# KiCad board MW601_KB.kicad_pcb (continued)
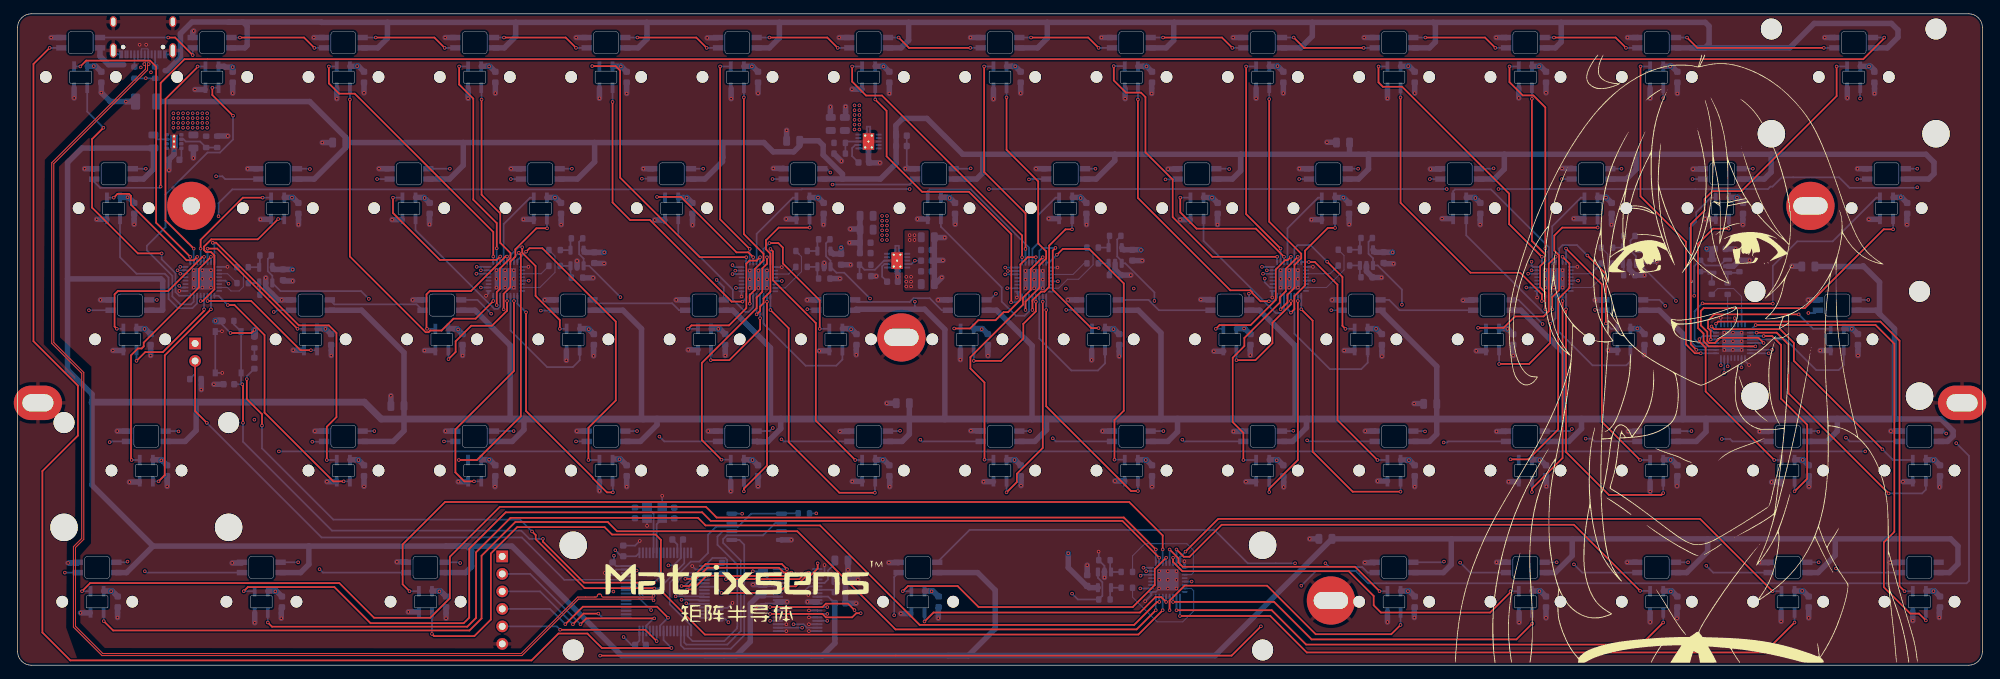
[diagram p0: board, top side]
## Routing (per net, layer and track width the routed paths; a pad name or vN(x,y) marks a point on that pad's centre or on a via; arc(x,y) is an arc through that point) (continued)
VCC1V0: length 156.7
  Bottom w0.25: MW20.1 114.87,67.93 ; v1(37.39,10.72) 37.39,10.78 ; v1(13.57,10.75) 13.57,10.78 ; v1(18.42,48.84) 18.42,48.88 ; 14.13,10.38 C56.1 ; 61.76,10.38 C58.1 ; 274.09,67.13 C28.1 ; v1(239.77,29.81) 239.77,29.83 ; 83.22,48.44 C32.1 ; v1(61.19,10.72) 61.19,10.78 ; v1(87.31,29.9) 87.31,29.95 ; 121.33,48.44 121.51,48.26 C34.1 ; v1(144.6,29.8) 144.6,29.83 ; 124.43,86.98 MW7.1
  Bottom w0.8: C30.1 44.69,48.87 44.67,48.87 v1(44.65,48.85) 44.63,48.87 44.23,48.87 44.23,48.88 43.44,48.88 ; 10.1,86.98 11.03,86.98 v1(11.05,87) 11.07,86.98 11.35,86.98 C1.1 ; 48.2,86.98 49.23,86.98 v1(49.25,87) 49.27,86.98 49.45,86.98 C3.1 ; C47.1 125.62,29.85 v1(125.5,29.85) 124.8,29.85 124.78,29.83 124.4,29.83 ; C36.1 158.99,48.88 v1(158.95,48.8) 157.74,48.88 ; 20.85,29.83 v1(20.85,29.75) 20.95,29.75 C42.1 ; 20.85,29.83 20.87,29.83 20.85,29.85 20.85,29.83 ; 20.85,29.83 19.63,29.83 ; 114.87,67.93 v1(116.1,67.9) 116.12,67.93 C20.1 ; 60.11,10.78 61.35,10.78 C58.1 ; C45.1 87.42,29.95 86.65,29.95 ; C23.1 173.27,67.93 v1(173.25,67.9) 172.03,67.93 ; 29.15,86.98 29.97,86.98 30.1,86.85 v1(31.2,86.85) C2.1 ; C6.1 106.6,86.98 106.53,86.98 v1(106.5,86.95) 106.47,86.98 105.35,86.98 ; C63.1 259,10.78 258.88,10.78 v1(258.85,10.8) 258.83,10.78 257.75,10.78 ; 143.45,86.98 144.24,86.98 144.25,86.97 v1(144.71,86.97) C8.1 ; 230.4,67.94 230.4,67.95 230.41,67.94 230.4,67.94 ; 230.4,67.94 229.61,67.94 229.6,67.93 229.18,67.93 ; 230.4,67.94 v1(230.4,67.9) 230.45,67.9 C26.1 ; C48.1 144.7,29.83 143.45,29.83 ; C35.1 139.94,48.88 139.93,48.88 v1(139.85,48.8) 139.77,48.88 138.69,48.88 ; 181.55,86.98 182.73,86.98 v1(182.75,87) 182.77,86.98 182.8,86.98 C10.1 ; C29.1 18.49,48.88 17.24,48.88 ; C7.1 125.65,86.98 125.63,86.98 v1(125.6,86.95) 125.57,86.98 124.4,86.98 ; 12.48,10.78 13.73,10.78 C56.1 ; 210.12,67.93 211.37,67.93 v1(211.45,67.85) C25.1 ; 100.59,48.88 101.62,48.88 v1(101.65,48.85) 101.68,48.88 101.84,48.88 C33.1 ; C53.1 239.95,29.83 238.7,29.83 ; 181.55,29.83 182.58,29.83 v1(182.64,29.77) 182.69,29.83 182.8,29.83 C50.1 ; 219.65,29.83 220.73,29.83 v1(220.76,29.8) 220.79,29.83 220.9,29.83 C52.1 ; 106.6,29.82 v1(106.6,29.8) 106.62,29.8 C46.1 ; 106.6,29.82 106.14,29.82 106.14,29.83 105.35,29.83 ; 106.6,29.83 106.6,29.82 106.6,29.82 ; 38.67,67.93 39.77,67.93 v1(39.8,67.9) 39.83,67.93 39.92,67.93 C16.1 ; C39.1 216.14,48.88 216.13,48.88 v1(216.1,48.85) 216.07,48.88 214.89,48.88 ; C61.1 220.9,10.78 220.78,10.78 v1(220.74,10.74) 220.71,10.78 219.65,10.78 ; 154.2,67.93 152.98,67.93 ; 154.2,67.93 154.22,67.93 154.2,67.95 154.2,67.93 ; 154.2,67.93 v1(154.2,67.85) 154.3,67.85 C22.1 ; C13.1 239.95,86.98 239.73,86.98 v1(239.7,86.95) 239.67,86.98 238.7,86.98 ; 67.25,86.98 68.04,86.98 68.05,86.97 68.38,86.97 v1(68.4,86.95) 68.42,86.97 68.51,86.97 C4.1 ; 276.8,10.78 277.87,10.78 v1(277.9,10.75) 277.93,10.78 278.05,10.78 C64.1 ; C38.1 197.09,48.88 197.08,48.88 v1(197.05,48.85) 197.02,48.88 195.84,48.88 ; 200.6,10.78 201.66,10.78 v1(201.67,10.76) 201.68,10.78 201.85,10.78 C60.1 ; 176.79,48.88 177.88,48.88 v1(177.9,48.9) 177.92,48.88 178.04,48.88 C37.1 ; 81.54,48.88 82.79,48.88 82.85,48.81 v1(82.85,48.8) 82.86,48.8 C32.1 ; C14.1 269.32,86.42 268.77,86.98 268.58,86.98 v1(268.55,86.95) 268.52,86.98 267.28,86.98 ; C62.1 239.95,10.78 239.87,10.78 v1(239.8,10.71) 239.73,10.78 238.7,10.78 ; C51.1 201.85,29.83 v1(201.82,29.78) 200.6,29.83 ; 191.08,67.93 v1(192.3,67.9) 192.32,67.93 C24.1 ; 62.49,48.88 63.28,48.88 63.29,48.87 63.74,48.87 63.86,48.75 v1(63.9,48.75) 63.9,48.71 C31.1 ; C12.1 220.9,86.98 220.73,86.98 v1(220.7,86.95) 220.67,86.98 219.65,86.98 ; C44.1 68.5,29.83 68.42,29.83 v1(68.4,29.85) 68.38,29.83 67.25,29.83 ; C27.1 249.47,67.93 249.43,67.93 v1(249.4,67.9) 249.37,67.93 248.23,67.93 ; C43.1 49.47,29.8 v1(49.45,29.8) 49.45,29.83 49.45,29.83 48.2,29.83 ; C57.1 37.54,10.78 36.29,10.78 ; 264.89,48.88 266.02,48.88 v1(266.05,48.85) 266.08,48.88 266.14,48.88 C41.1 ; C55.1 278.05,29.83 277.93,29.83 v1(277.9,29.8) 277.87,29.83 276.8,29.83 ; 133.93,67.93 134.51,67.93 134.51,67.93 135.17,67.93 135.2,67.9 v1(135.2,67.85) 135.25,67.85 C21.1 ; 119.64,48.88 120.89,48.88 120.9,48.86 v1(120.9,48.8) 120.96,48.8 121.33,48.44 121.51,48.26 C34.1 ; C19.1 97.07,67.93 v1(97.05,67.9) 95.83,67.93 ; 162.5,29.83 163.62,29.83 v1(163.65,29.8) 163.68,29.83 163.75,29.83 C49.1 ; C18.1 78.02,67.93 77.98,67.93 v1(77.95,67.9) 77.92,67.93 76.77,67.93 ; 200.6,86.98 201.68,86.98 v1(201.7,87) 201.72,86.98 201.85,86.98 C11.1 ; C59.1 132.8,10.77 132.62,10.77 v1(132.58,10.73) 132.53,10.77 132.34,10.77 132.33,10.78 131.54,10.78 ; C15.1 16.11,67.93 15.97,67.93 v1(15.95,67.95) 15.93,67.93 14.86,67.93 ; 57.72,67.93 58.97,67.93 v1(59.05,67.85) C17.1 ; C28.1 274.09,67.13 273.29,67.93 273.17,67.93 v1(273.15,67.95) 273.13,67.93 272.04,67.93 ; C5.1 87.55,86.98 87.53,86.98 v1(87.5,86.95) 87.47,86.98 86.3,86.98 ; C40.1 235.19,48.88 234.97,48.88 v1(234.95,48.9) 234.93,48.88 233.94,48.88 ; C54.1 259,29.83 258.95,29.83 v1(258.94,29.82) 258.94,29.83 257.75,29.83 ; 162.5,86.98 163.29,86.98 163.32,86.95 163.75,86.95 v1(163.75,86.95) 163.75,86.95 163.78,86.95 C9.1
  vias: v1(125.4,65.25) v1(125.4,64.55) v1(125.4,63.85) v1(125.4,63.15) v1(125.4,62.45) v1(125.4,61.75) v1(126.1,65.25) v1(126.1,64.55) v1(126.1,63.85) v1(126.1,63.15) v1(126.1,62.45) v1(126.1,61.75)
VDDA: length 79
  In1.Cu w0.8: v1(152.4,16.25) 153.75,17.6 153.75,53.44 160.61,60.3 v1(162.95,60.3)
  Bottom w0.25: 245.76,59.17 245.76,59.03 ; 245.76,59.17 245.76,59.03 ; 245.76,59.17 245.76,59.45 ; 245.76,59.03 U16.5 ; 245.76,59.03 U16.5 ; 245.76,59.03 U16.5
  Bottom w0.8: U10.5 37.26,57.47 C86.2 39.88,57.47 v1(39.9,57.45) ; v1(162.95,60.3) 162.93,60.33 C89.2 160.46,60.33 U17.5 ; v1(199.45,59.95) 199.43,59.98 C90.2 196.95,59.98 U11.5 ; v1(85.1,59.95) C87.2 82.42,59.95 U12.5 ; U18.5 155.41,11.26 C93.2 155.05,11.53 152.4,14.18 v1(152.4,16.25) ; U15.5 118.33,59.73 C88.2 v1(119.45,60.65) ; v1(245,60.5) 245.05,60.45 C92.2 245.76,60.01 U16.5 ; v1(237.45,60.3) 237.43,60.27 C91.2 235.1,60.27 U13.5
  vias: v1(121.4,81.3) v1(121.4,80.6) v1(121.4,79.9) v1(121.4,79.2) v1(121.4,78.5) v1(121.4,77.8) v1(122.1,81.3) v1(122.1,80.6) v1(122.1,79.9) v1(122.1,79.2) v1(122.1,78.5) v1(122.1,77.8)
/Analog/AIN_0P: length 122.8
  In1.Cu w0.25: v1(117.45,6.45) 117.95,5.95 117.95,5.25 117.15,4.45 102.89,4.45 96.34,11 94.89,11 84.75,21.15 60.7,21.15 53.43,28.42 53.43,50.72 v1(50.95,53.2)
  Bottom w0.25: v1(50.95,53.2) 49.83,54.33 38.14,54.33 U10.1 36.95,56.56 36.3,57.21 36.3,59 R12.2 ; U14.16 v1(117.45,6.45)
/Analog/AIN_1P: length 78.2
  In1.Cu w0.25: v1(87.45,53.45) 87.9,53 87.9,48.95 96.05,40.8 96.05,14.7 99.45,11.31 99.84,11.31 105.2,5.95 110.33,5.95 110.83,6.45 112.05,6.45 v1(112.55,5.95)
  Bottom w0.25: v1(112.55,5.95) 114,5.95 114.5,5.45 U14.18 ; R20.2 81.45,61.47 81.45,59.69 82.1,59.05 U12.1 82.9,58 v1(87.45,53.45)
/Analog/AIN_2P: length 69.2
  In1.Cu w0.25: v1(123.65,53.25) 120.67,50.28 118.65,50.28 114.05,45.67 114.05,12.83 113.19,11.96 113.19,7.16 113.8,6.55 v1(113.8,5.45)
  Bottom w0.25: v1(123.65,53.25) 119.9,57 118.77,57 U15.1 117.91,58.74 117.27,59.38 117.27,61.28 R28.2 ; v1(113.8,5.45) U14.21
/Analog/AIN_3P: length 110.2
  In1.Cu w0.25: v1(109.15,6.45) 110.14,7.44 112.05,7.44 113.3,6.19 113.3,5.25 113.59,4.95 114.09,4.95 114.59,5.45 114.99,5.45 116.95,7.41 116.95,9.15 126.9,19.1 144.4,19.1 148.25,15.25 152.95,15.25 158.35,20.65 158.35,38.45 164.9,45 v1(164.9,52.9)
  Bottom w0.25: v1(164.9,52.9) 164.9,54.14 160.68,58.36 U17.1 160.15,58.7 159.51,59.35 159.51,61.82 R36.2 ; U14.23 v1(109.15,6.45)
/Analog/AIN_4P: length 127.2
  Top w0.25: v1(109.15,7.45) 116.75,7.45 117.25,6.95 121.05,6.95 121.65,7.55 v1(122.3,7.55)
  In1.Cu w0.25: v1(122.3,7.55) 122.3,9.68 128.85,16.22 145.33,16.22 147.52,14.03 153.13,14.03 164.4,25.3 166.29,25.3 191.24,50.25 198.7,50.25 v1(200.8,52.35)
  Bottom w0.25: v1(200.8,52.35) 200.8,54.55 197.3,58.05 U11.1 196.6,59.1 195.96,59.74 195.96,61.48 R13.2 ; U14.25 v1(109.15,7.45)
/Analog/AIN_5P: length 173.6
  Top w0.25: v1(109.15,8.45) 116.75,8.45 117.24,8.94 120.45,8.94 v1(121.4,8)
  In1.Cu w0.25: v1(240.55,52.9) 240.55,41.58 223.63,24.66 165.31,24.66 157.3,16.64 157.3,15.75 153.35,11.8 125.6,11.8 123.71,9.91 123.71,8.14 122.62,7.06 122.09,7.06 121.4,7.75 v1(121.4,8)
  Bottom w0.25: R21.2 233.95,61.67 233.95,60.2 234.75,59.4 U13.1 235.19,58.35 240.55,52.99 v1(240.55,52.9) ; U14.27 v1(109.15,8.45)
/Analog/AIN_6P: length 166.5
  In1.Cu w0.25: v1(243.2,53.65) 243.2,48.4 242,47.2 242,41.6 230.14,29.74 230.14,25.69 228.65,24.2 166.4,24.2 153.27,11.07 135.57,11.07 130.9,6.4 121.5,6.4 119.45,8.45 v1(117.45,8.45)
  Bottom w0.25: U14.12 v1(117.45,8.45) ; v1(243.2,53.65) 243.2,57.95 R29.2 244.8,58.05 246.93,58.05 247.76,58.89 U16.1
/Analog/AIN_7P: length 48.6
  In1.Cu w0.25: v1(152.95,10.4) 141.2,10.4 136.1,5.3 120,5.3 117.85,7.45 v1(117.45,7.45)
  Bottom w0.25: U18.1 156.7,12.7 157.34,12.06 157.34,10.07 R37.2 153.8,9.55 v1(152.95,10.4) ; U14.14 v1(117.45,7.45)
/Analog/GP0_OUT+: length 3.2
  Bottom w0.149: R8.1 30.46,56.85 U2.27
/Analog/GP0_OUT-: length 7.2
  Bottom w0.149: R10.1 32.75,56.86 32.75,54.95 32.15,54.35 30.95,54.35 30.45,54.85 U2.31
/Analog/GP1_OUT+: length 4.4
  Bottom w0.149: U3.27 75.94,56.85 R16.1
/Analog/GP1_OUT-: length 9.3
  Bottom w0.149: U3.31 75.75,54.85 77.95,57.05 77.95,59.41 R18.1
/Analog/GP2_OUT+: length 3.4
  Bottom w0.149: R24.1 111.84,56.8 U4.27
/Analog/GP2_OUT-: length 8.7
  Bottom w0.149: R26.1 113.29,59.74 113.7,59.34 113.7,57.15 111.35,54.8 U4.31
  Bottom w0.25: 113.29,59.74 R26.1
/Analog/GP3_OUT+: length 5.9
  Bottom w0.149: R32.1 154.69,58.35 153.09,56.75 U5.27
/Analog/GP3_OUT-: length 10.4
  Bottom w0.149: R34.1 156,59.76 156,58.15 153.9,56.05 152.3,56.05 151,54.75 U5.31
/Analog/GP4_OUT+: length 6
  Bottom w0.149: U6.27 190.38,56.85 190.97,57.44 R9.1
  Bottom w0.25: 190.97,57.44 R9.1
/Analog/GP4_OUT-: length 9.9
  Bottom w0.149: R11.1 192.4,59.5 192.4,57.4 189.85,54.85 U6.31
/Analog/GP5_OUT+: length 6.1
  Bottom w0.149: U7.27 228.23,56.85 228.97,57.59 R17.1
  Bottom w0.25: 228.97,57.59 R17.1
/Analog/GP5_OUT-: length 10.2
  Bottom w0.149: U7.31 228.3,54.85 230.65,57.2 230.65,59.7 R19.1
/Analog/GP6_OUT+: length 4.4
  Bottom w0.149: U8.27 248.05,49.5 R25.1
/Analog/GP6_OUT-: length 11.2
  Bottom w0.149: R27.1 246.6,54.7 248.9,54.7 250.06,53.54 U8.31
  Bottom w0.25: 250.06,51.51 U8.31
/Analog/GP7_OUT+: length 16.9
  Bottom w0.149: U9.27 170.25,13.15 170.55,13.45 170.55,16.7 169.6,17.65 163.5,17.65 161.73,15.88 161.73,13.55
/Analog/GP7_OUT-: length 16.8
  Bottom w0.149: 161.73,11.25 161.73,9.88 165.3,6.3 169,6.3 170.6,7.9 170.6,10.8 170.25,11.15 U9.31
/Analog/SCLK: length 23
  Top w0.25: v1(112.25,13.45) 111.15,13.45 110.45,14.14 100.05,14.14 97.4,11.5 v1(96.3,11.5)
  Bottom w0.25: 99.62,12.4 97.65,12.4 96.75,11.5 v1(96.3,11.5) ; v1(112.25,13.45) U14.37
/Analog/SDI: length 19.9
  Top w0.25: v1(102.1,10.5) 110.4,10.5 111.36,11.46 112.88,11.46 114.38,12.95 114.95,12.95 116.05,14.05 v1(116.05,14.8)
  Bottom w0.25: U14.1 116.05,13.99 v1(116.05,14.8) ; 99.62,11.4 101.2,11.4 v1(102.1,10.5)
/Analog/SDO: length 22.9
  Top w0.25: v1(113.2,13.1) 113.05,12.95 103,12.95 102.96,13 99.95,13 97.95,11 v1(97.1,11)
  Bottom w0.25: 99.62,11.9 98,11.9 v1(97.1,11) ; v1(113.2,13.1) 113.05,12.95 U14.36
/Analog/~{CS}: length 20.2
  Top w0.25: v1(96.85,12.55) 97.65,12.55 99.8,14.7 110.85,14.7 v1(111.6,13.95)
  Bottom w0.25: v1(96.85,12.55) 97.2,12.9 99.62,12.9 ; v1(111.6,13.95) U14.38
/Analog/~{RST/PD}: length 20.4
  Top w0.25: v1(102.75,12.5) 113.4,12.5 114.35,13.45 v1(114.75,13.45)
  Bottom w0.25: v1(102.75,12.5) 102.92,12.67 102.92,15.3 102.65,15.57 100.8,15.57 99.62,14.4 ; v1(114.75,13.45) U14.2
/Key Layout/DOUT_L0: length 14.1
  In2.Cu w0.25: v1(52.15,70.6) 50.7,72.05 v1(42.4,72.05)
  Bottom w0.25: v1(52.15,70.6) D17.4 ; v1(42.4,72.05) 42.35,72.1 D16.2
/Key Layout/DOUT_L1: length 14.1
  Bottom w0.25: D32.2 83.88,52.56 94.94,52.56 95.95,51.55 D33.4
/Key Layout/DOUT_L2: length 14.1
  In2.Cu w0.25: v1(150.15,32.95) 149.1,34 v1(146.85,34)
  Bottom w0.25: v1(150.15,32.95) 150.6,32.5 D49.4 ; D48.2 v1(146.85,34)
/Key Layout/LED_SDA: length 190.7
  Top w0.25: v1(94.85,2.5) 84.75,2.5 82.65,4.6 78.45,4.6 74.55,0.7 7.65,0.7 3.6,4.75 3.6,28.2 8.75,33.35 8.75,40.6 2.3,47.05 2.3,87.3 v1(4.65,89.65)
  Bottom w0.25: v1(94.85,2.5) 93.7,3.65 U23.41 ; v1(4.65,89.65) D1.4
/Key Layout/OUT_N1: length 40.7
  Top w0.25: v1(20.9,59.8) 17.45,59.8 10.8,66.45 10.8,76.4 v1(12.45,78.05)
  Bottom w0.25: 25.05,53.65 25.04,53.65 ; 25.04,53.65 U2.8 ; 25.04,53.65 23.46,53.65 22.9,54.21 22.9,56.95 20.9,58.95 v1(20.9,59.8) ; v1(12.45,78.05) 10.1,80.4 MW1.4
/Key Layout/OUT_N2: length 44.8
  Top w0.25: v1(28.25,83.85) 28.25,82.8 v1(31.25,79.8)
  Bottom w0.25: U2.7 25.55,52.8 25.15,52.4 23.6,52.4 22.45,53.55 22.45,56.55 18.75,60.25 18.75,60.9 21.45,63.6 21.45,68.35 27.55,74.45 29.35,74.45 31.25,76.35 v1(31.25,79.8) ; v1(28.25,83.85) MW2.4
/Key Layout/OUT_N3: length 52.5
  Top w0.25: v1(48.2,82.15) 48.2,59.35 59.19,48.36 59.61,48.36 59.85,48.6 61.5,48.6 63.22,50.32 66.44,50.32 v1(69,52.89)
  Bottom w0.25: v1(69,52.89) U3.8 ; v1(48.2,82.15) MW3.4
/Key Layout/OUT_N4: length 35.5
  Top w0.25: v1(69.5,52.3) 69.5,54.18 69.97,54.64 69.97,57.61 71.49,59.14 71.49,59.85 70.01,61.34 70.01,65.61 67.3,68.32 v1(67.3,82.15)
  Bottom w0.25: v1(69.5,52.3) U3.7 ; v1(67.3,82.15) 67.3,83.8 MW4.4
/Key Layout/OUT_N5: length 42.5
  Top w0.25: v1(105.15,52.8) 103.57,52.8 91.72,64.65 88.85,64.65 86.3,67.2 v1(86.3,81.8)
  Bottom w0.25: v1(86.3,81.8) MW5.4 ; U4.8 105.7,53.36 v1(105.15,52.8)
/Key Layout/OUT_N6: length 34.5
  Top w0.25: v1(106.2,52.5) 106.2,53.75 106.95,54.5 106.95,57.56 108.2,58.8 108.2,59.75 105.35,62.6 v1(105.35,82.45)
  Bottom w0.25: v1(106.2,52.5) U4.7 ; v1(105.35,82.45) MW6.4
/Key Layout/OUT_N7: length 45.4
  Top w0.25: v1(144.1,52.7) 144.15,52.75 144.15,62.6 138,68.75 131.2,68.75 126.05,73.9 126.05,80.5 v1(124.4,82.15)
  Bottom w0.25: v1(124.4,82.15) MW7.4 ; U5.8 145.7,53.45 144.95,52.7 v1(144.1,52.7)
/Key Layout/OUT_N8: length 37.9
  Top w0.25: v1(143.45,82.45) 143.45,74.85 148.05,70.25 148.05,61.25 149.2,60.1 149.2,59.05 148.21,58.06 148.21,54.81 146.2,52.8 v1(146.2,51.59)
  Bottom w0.25: v1(143.45,82.45) MW8.4 ; v1(146.2,51.59) U5.7
/Key Layout/OUT_N9: length 43
  Top w0.25: v1(181.5,52.85) 180.3,52.85 179.09,54.06 179.09,54.16 178.81,54.44 175.9,54.44 162.5,67.85 v1(162.5,82.15)
  Bottom w0.25: v1(162.5,82.15) MW9.4 ; U6.8 182.7,53.41 182.14,52.85 v1(181.5,52.85)
/Key Layout/OUT_N10: length 37.3
  Top w0.25: v1(181.55,82.2) 181.55,64.4 186.2,59.76 186.2,59.11 185.21,58.12 185.21,54.8 184.2,53.79 184.2,52.68 v1(183.2,51.69)
  Bottom w0.25: v1(183.2,51.69) U6.7 ; v1(181.55,82.2) MW10.4
/Key Layout/OUT_N11: length 44.4
  Top w0.25: v1(200.6,82.45) 200.6,67.15 210.75,57 217.95,57 221.1,53.85 v1(221.1,52.89)
  Bottom w0.25: U7.8 v1(221.1,52.89) ; v1(200.6,82.45) MW11.4
/Key Layout/OUT_N12: length 35.6
  Top w0.25: v1(221.6,51.69) 221.6,54.15 220.85,54.9 220.85,57.95 221.59,58.69 221.59,59.66 219.65,61.6 v1(219.65,82.25)
  Bottom w0.25: v1(219.65,82.25) MW12.4 ; v1(221.6,51.69) U7.7
/Key Layout/OUT_N13: length 51.7
  In1.Cu w0.25: v1(254,45.3) 254,52.6 254.8,53.4 254.8,72.05 244.5,82.35 v1(238.7,82.35)
  Bottom w0.25: MW13.4 v1(238.7,82.35) ; U8.8 v1(254,45.3)
/Key Layout/OUT_N14: length 46.6
  In1.Cu w0.25: v1(267.25,82.3) 255.55,70.6 255.55,46.85 v1(254.5,45.8)
  Bottom w0.25: v1(267.25,82.3) 267.25,83.83 MW14.4 ; U8.7 v1(254.5,45.8)
/Key Layout/OUT_N15: length 23
  Bottom w0.25: MW15.4 14.86,59.24 17.25,56.85 21.35,56.85 21.9,56.3 21.9,53.2 23.25,51.85 25.35,51.85 26.05,52.55 U2.6
/Key Layout/OUT_N16: length 24
  Top w0.25: v1(37.8,64.8) 34.84,61.84 28.1,61.84 27.04,60.8 27.04,60.3 27.35,60.01 28.04,60.01 28.54,59.51 28.54,54.58 26.85,52.89 v1(26.55,52.89)
  Bottom w0.25: v1(37.8,64.8) MW16.4 ; v1(26.55,52.89) U2.5
/Key Layout/OUT_N17: length 20.3
  Bottom w0.25: U3.6 70,52.1 69.65,51.75 69.15,51.75 57.72,63.17 MW17.4
/Key Layout/OUT_N18: length 18.6
  Top w0.25: v1(76.8,63.45) 75.25,63.45 72.2,60.4 72.2,59.33 71.47,58.6 71.47,54.91 70.5,53.93 v1(70.5,51.69)
  Bottom w0.25: v1(70.5,51.69) U3.5 ; 76.77,64.8 76.8,64.78 v1(76.8,63.45)
/Key Layout/OUT_N19: length 20.6
  Bottom w0.25: MW19.4 95.83,62.48 103.75,54.55 103.75,53.1 105.54,51.31 106.06,51.31 106.7,51.95 U4.6
/Key Layout/OUT_N20: length 22.9
  Top w0.25: v1(114.9,63.55) 110.4,63.55 108.55,61.7 108.55,60.4 109.2,59.76 109.2,54.25 108.2,53.25 108.2,52.59 107.7,52.09 107.7,51.45 v1(107.2,50.95)
  Bottom w0.25: v1(107.2,50.95) U4.5 ; MW20.4 114.9,64.78 v1(114.9,63.55)
/Key Layout/OUT_N21: length 22.9
  Bottom w0.25: MW21.4 133.93,63.67 142.75,54.85 142.75,52.8 144.8,50.75 146.06,50.75 146.7,51.38 146.7,53.56 146.7,53.55 U5.6
/Key Layout/OUT_N22: length 18.4
  Top w0.25: v1(152.95,63.3) 152,63.3 149.63,60.93 149.63,54.93 148.96,54.25 148.47,54.25 147.2,52.99 v1(147.2,51.59)
  Bottom w0.25: MW22.4 152.95,64.78 v1(152.95,63.3) ; U5.5 v1(147.2,51.59)
/Key Layout/OUT_N23: length 21.5
  Bottom w0.25: MW23.4 172.03,61.62 182.5,51.15 183.36,51.15 183.7,51.49 U6.6
/Key Layout/OUT_N24: length 19.5
  Top w0.25: v1(184.7,51.2) 185.2,51.69 185.2,53.59 186.75,55.15 186.75,60.2 190.05,63.5 v1(191.1,63.5)
  Bottom w0.25: MW24.4 191.1,64.78 v1(191.1,63.5) ; U6.5 184.2,51.7 v1(184.7,51.2)
/Key Layout/OUT_N25: length 21.3
  Bottom w0.25: MW25.4 210.12,62.42 221.36,51.19 221.81,51.19 222.1,51.49 U7.6
/Key Layout/OUT_N26: length 21.4
  Top w0.25: v1(222.6,51.69) 222.6,53.45 223.59,54.44 223.59,59.52 222.9,60.21 222.9,62.4 224.05,63.55 v1(229.2,63.55)
  Bottom w0.25: MW26.4 229.2,64.78 v1(229.2,63.55) ; U7.5 v1(222.6,51.69)
/Key Layout/OUT_N27: length 29.9
  Top w0.25: v1(248.2,63.4) 245.95,63.4 243.75,61.2 243.75,48.95 244.55,48.15 244.55,47.05 245.3,46.3 v1(252.06,46.3)
  Bottom w0.25: v1(248.2,63.4) 248.2,64.78 MW27.4 ; U8.6 v1(252.06,46.3)
/Key Layout/OUT_N28: length 49.9
  Top w0.25: v1(272.05,63.3) 270.68,63.3 259.23,51.85 244.55,51.85 244.15,51.45 244.15,49.35 245.09,48.41 245.09,47.09 245.39,46.8 246.2,46.8 246.94,47.55 252.52,47.55 v1(253.26,46.8)
  Bottom w0.25: v1(272.05,63.3) 272.05,64.79 MW28.4 ; 251.3,46.8 v1(253.26,46.8)
/Key Layout/OUT_N29: length 16.6
  Top w0.25: v1(27.05,51.69) 27.05,51.45 21.07,45.47 18.52,45.47 v1(17.25,44.2)
  Bottom w0.25: MW29.4 17.25,45.74 v1(17.25,44.2) ; v1(27.05,51.69) U2.4
/Key Layout/OUT_N30: length 19.6
  Top w0.25: v1(42.55,45.75) 41.03,45.75 33.89,52.89 v1(27.55,52.89)
  Bottom w0.25: U2.3 v1(27.55,52.89) ; v1(42.55,45.75) MW30.4
/Key Layout/OUT_N31: length 15.8
  Top w0.25: v1(71,52.89) 71,51.49 68.81,49.3 65.8,49.3 63.54,47.04 63.54,45.49 v1(62.5,44.45)
  Bottom w0.25: v1(62.5,44.45) 62.5,45.74 MW31.4 ; v1(71,52.89) U3.4
/Key Layout/OUT_N32: length 19.9
  Bottom w0.25: 81.54,45.02 81.54,44.29 80.55,43.3 76.8,43.3 71.5,48.6 71.5,53.65 ; 81.54,45.02 81.54,45.02 MW32.4 81.54,45.02
/Key Layout/OUT_N33: length 15.3
  Top w0.25: v1(100.55,44.3) 103.24,44.3 107.7,48.76 v1(107.7,50.4)
  Bottom w0.25: U4.4 v1(107.7,50.4) ; v1(100.55,44.3) 100.55,45.71 MW33.4
/Key Layout/OUT_N34: length 20.4
  Bottom w0.25: 119.64,45.07 119.64,45.07 MW34.4 119.64,45.07 ; 119.64,45.07 119.64,44.39 118.75,43.5 114.3,43.5 108.2,49.6 U4.3
/Key Layout/OUT_N35: length 16.9
  Top w0.25: v1(138.7,44.2) 142.65,44.2 145.88,47.43 145.88,49.57 147.7,51.39 v1(147.7,52.79)
  Bottom w0.25: 147.7,53.55 v1(147.7,52.79) ; MW35.4 138.7,45.74 v1(138.7,44.2)
/Key Layout/OUT_N36: length 20.9
  Bottom w0.25: 157.74,44.79 MW36.4 157.74,44.79 ; 157.74,44.79 157.74,43.84 156.7,42.8 152.85,42.8 148.2,47.45 148.2,53.55
/Key Layout/OUT_N37: length 15.7
  Top w0.25: v1(184.7,52.89) 184.7,52.41 182.02,49.73 182.02,46.77 179.55,44.3 v1(176.8,44.3)
  Bottom w0.25: U6.4 v1(184.7,52.89) ; v1(176.8,44.3) 176.8,45.74 MW37.4
/Key Layout/OUT_N38: length 21.4
  Bottom w0.25: 195.84,44.84 MW38.4 195.84,44.84 ; 195.84,44.84 195.84,43.94 194.9,43 190.35,43 185.2,48.15 U6.3
/Key Layout/OUT_N39: length 17.9
  Top w0.25: v1(222.3,49.6) 222.3,46.8 219.25,43.75 v1(214.9,43.75)
  Bottom w0.25: v1(222.3,49.6) 223.1,50.4 U7.4 ; MW39.4 214.9,45.74 v1(214.9,43.75)
/Key Layout/OUT_N40: length 20.3
  Bottom w0.25: 233.94,44.94 MW40.4 233.94,44.94 ; 233.94,44.94 233.94,44.14 233.35,43.55 228.45,43.55 223.6,48.4 U7.3
/Key Layout/OUT_N41: length 17.9
  Bottom w0.25: 264.9,45.75 264.9,45.74 264.9,43.6 264.15,42.85 260.9,42.85 256.45,47.3 251.3,47.3 ; 264.9,45.75 MW41.4 264.9,45.75
/Key Layout/OUT_N42: length 30.9
  Top w0.25: v1(20.45,26.7) 21.35,27.59 21.35,44.98 v1(28.05,51.69)
  Bottom w0.25: v1(28.05,51.69) U2.2 ; v1(20.45,26.7) MW42.4
/Key Layout/OUT_N43: length 37.4
  Top w0.25: v1(30.5,52.3) 31.46,52.3 35.82,47.94 35.82,36.68 45.8,26.7 v1(47.3,26.7)
  Bottom w0.25: 28.56,53.65 29.15,53.65 v1(30.5,52.3) ; 28.56,53.65 U2.1 ; 28.56,53.65 28.55,53.65 ; v1(47.3,26.7) MW43.4
/Key Layout/OUT_N44: length 33.5
  Top w0.25: v1(72,52.89) 72,42.73 63.5,34.24 63.5,28 64.8,26.7 v1(66.2,26.7)
  Bottom w0.25: U3.2 v1(72,52.89) ; v1(66.2,26.7) MW44.4
/Key Layout/OUT_N45: length 36.4
  Top w0.25: v1(86.35,25.1) 85.49,25.1 83.49,27.09 83.38,27.29 73.75,36.92 v1(73.75,51.25)
  Bottom w0.25: U3.1 72.5,52.5 v1(73.75,51.25) ; MW45.4 86.35,26.65 v1(86.35,25.1)
/Key Layout/OUT_N46: length 31.2
  Top w0.25: v1(108.7,52.79) 108.7,28.99 105.35,25.64 v1(105.35,25.25)
  Bottom w0.25: U4.2 v1(108.7,52.79) ; v1(105.35,25.25) MW46.4
/Key Layout/OUT_N47: length 39.5
  Top w0.25: v1(109.2,51.59) 111.85,48.94 111.85,32.4 119.2,25.05 v1(124.35,25.05)
  Bottom w0.25: MW47.4 124.35,26.65 v1(124.35,25.05) ; v1(109.2,51.59) U4.1
/Key Layout/OUT_N48: length 32.2
  Top w0.25: v1(148.7,52.79) 148.7,31.55 144.95,27.8 144.95,26.6 v1(143.45,25.1)
  Bottom w0.25: v1(143.45,25.1) MW48.4 ; U5.2 v1(148.7,52.79)
/Key Layout/OUT_N49: length 35.8
  Top w0.25: v1(162.5,25.3) 161.5,25.3 149.2,37.6 v1(149.2,51.59)
  Bottom w0.25: v1(149.2,51.59) U5.1 ; v1(162.5,25.3) MW49.4
/Key Layout/OUT_N50: length 31.8
  Top w0.25: v1(185.7,52.89) 185.7,29.79 181.55,25.64 v1(181.55,25.15)
  Bottom w0.25: U6.2 v1(185.7,52.89) ; v1(181.55,25.15) MW50.4
/Key Layout/OUT_N51: length 40
  Top w0.25: v1(186.2,51.69) 187.85,50.04 187.85,31 193.65,25.2 v1(200.6,25.2)
  Bottom w0.25: v1(186.2,51.69) U6.1 ; v1(200.6,25.2) MW51.4
/Key Layout/OUT_N52: length 31.9
  Top w0.25: v1(224.1,52.89) 224.1,30.09 219.65,25.64 v1(219.65,25.15)
  Bottom w0.25: U7.2 v1(224.1,52.89) ; v1(219.65,25.15) MW52.4
/Key Layout/OUT_N53: length 41.2
  Top w0.25: v1(224.6,51.69) 224.6,30.95 230.82,24.73 238.43,24.73 v1(238.7,25)
  Bottom w0.25: v1(224.6,51.69) U7.1 ; v1(238.7,25) MW53.4
/Key Layout/OUT_N54: length 30.1
  Top w0.25: v1(257.75,25.25) 259.59,27.09 259.59,34.91 255.8,38.7 255.8,46.5 254.5,47.8 v1(253.26,47.8)
  Bottom w0.25: v1(257.75,25.25) MW54.4 ; U8.3 v1(253.26,47.8)
/Key Layout/OUT_N55: length 40.8
  Top w0.25: v1(252.25,48.3) 255.16,48.3 256.87,46.58 256.87,39.48 v1(271.4,24.95)
  Bottom w0.25: v1(252.25,48.3) 252.25,48.3 U8.2 ; MW55.4 276.8,25.5 276.25,24.95 v1(271.4,24.95)
/Key Layout/OUT_N56: length 175.9
  Top w0.25: v1(165.1,7.99) 162.31,5.2 127.35,5.2 113.09,19.45 86.94,19.45 85.6,20.8 72.2,20.8 67.3,15.9 67.3,6.8 65.55,5.05 13.86,5.05 v1(12.5,6.4)
  Bottom w0.25: v1(165.1,7.99) U9.8 ; v1(12.5,6.4) 12.5,7.63 MW56.4
/Key Layout/OUT_N57: length 151.7
  Top w0.25: v1(165.6,9.19) 165.29,9.19 161.96,5.86 130.84,5.86 116.4,20.3 99.8,20.3 98.69,21.4 71.5,21.4 66.5,16.4 66.5,6.87 65.23,5.6 36.9,5.6 v1(36.3,6.2)
  Bottom w0.25: MW57.4 36.3,7.64 v1(36.3,6.2) ; U9.7 v1(165.6,9.19)
/Key Layout/OUT_N58: length 135.6
  Top w0.25: v1(166.1,7.99) 162.57,4.45 99.7,4.45 93.31,10.84 93.31,18.21 92.55,18.98 86.22,18.98 85.15,20.05 72.47,20.05 68.65,16.23 68.65,6.63 66.25,4.23 60.42,4.23 v1(60.1,4.55)
  Bottom w0.25: MW58.4 60.1,7.64 v1(60.1,4.55) ; v1(166.1,7.99) U9.6
/Key Layout/OUT_N59: length 38.9
  Top w0.25: v1(166.6,9.19) 165.89,9.9 165.05,9.9 162.8,7.65 132.85,7.65 v1(131.55,6.35)
  Bottom w0.25: 131.55,7.65 131.55,7.64 v1(131.55,6.35) ; 131.55,7.65 MW59.4 131.55,7.65 ; v1(166.6,9.19) U9.5
/Key Layout/OUT_N60: length 43
  Top w0.25: v1(167.1,7.99) 167.1,9.39 169.26,11.55 181.25,11.55 188.3,4.5 199.25,4.5 v1(200.6,5.85)
  Bottom w0.25: U9.4 v1(167.1,7.99) ; v1(200.6,5.85) MW60.4
/Key Layout/OUT_N61: length 57.7
  Top w0.25: v1(167.6,9.19) 182.26,9.19 187.7,3.75 217.4,3.75 v1(219.7,6.05)
  Bottom w0.25: MW61.4 219.7,7.6 v1(219.7,6.05) ; U9.3 v1(167.6,9.19)
/Key Layout/OUT_N62: length 77.4
  Top w0.25: v1(168.1,7.99) 181.91,7.99 186.9,3 235.5,3 v1(238.7,6.2)
  Bottom w0.25: U9.2 v1(168.1,7.99) ; v1(238.7,6.2) MW62.4
/Key Layout/OUT_N63: length 97.4
  Top w0.25: v1(168.6,7.15) 181.7,7.15 187,1.85 253.4,1.85 v1(257.75,6.2)
  Bottom w0.25: v1(168.6,7.15) U9.1 ; v1(257.75,6.2) MW63.4
/Key Layout/OUT_N64: length 67.6
  Top w0.25: v1(276.8,6.5) 275.8,7.5 274.54,7.5 270.7,11.34 270.7,17.85 272.22,19.37 272.22,46.68 269.5,49.4 v1(252.1,49.4)
  Bottom w0.25: v1(276.8,6.5) MW64.4 ; v1(252.1,49.4) 251.5,48.8 U8.1
/Key Layout/OUT_P1: length 43.1